# Altium PCB cyber60-mx.PcbDoc (part 3 of 4)
Units mm, origin at the board's own origin, x right, y up, seen from the top; angles counter-clockwise.
Board outline 284.73 x 94.2 mm, 2 copper layers (Component Side, Bottom Layer), stack 1.571 mm thick; 250 components, 151 nets, 1030 pads, 543 vias.
Unrouted connection lines stored in the file: 6.
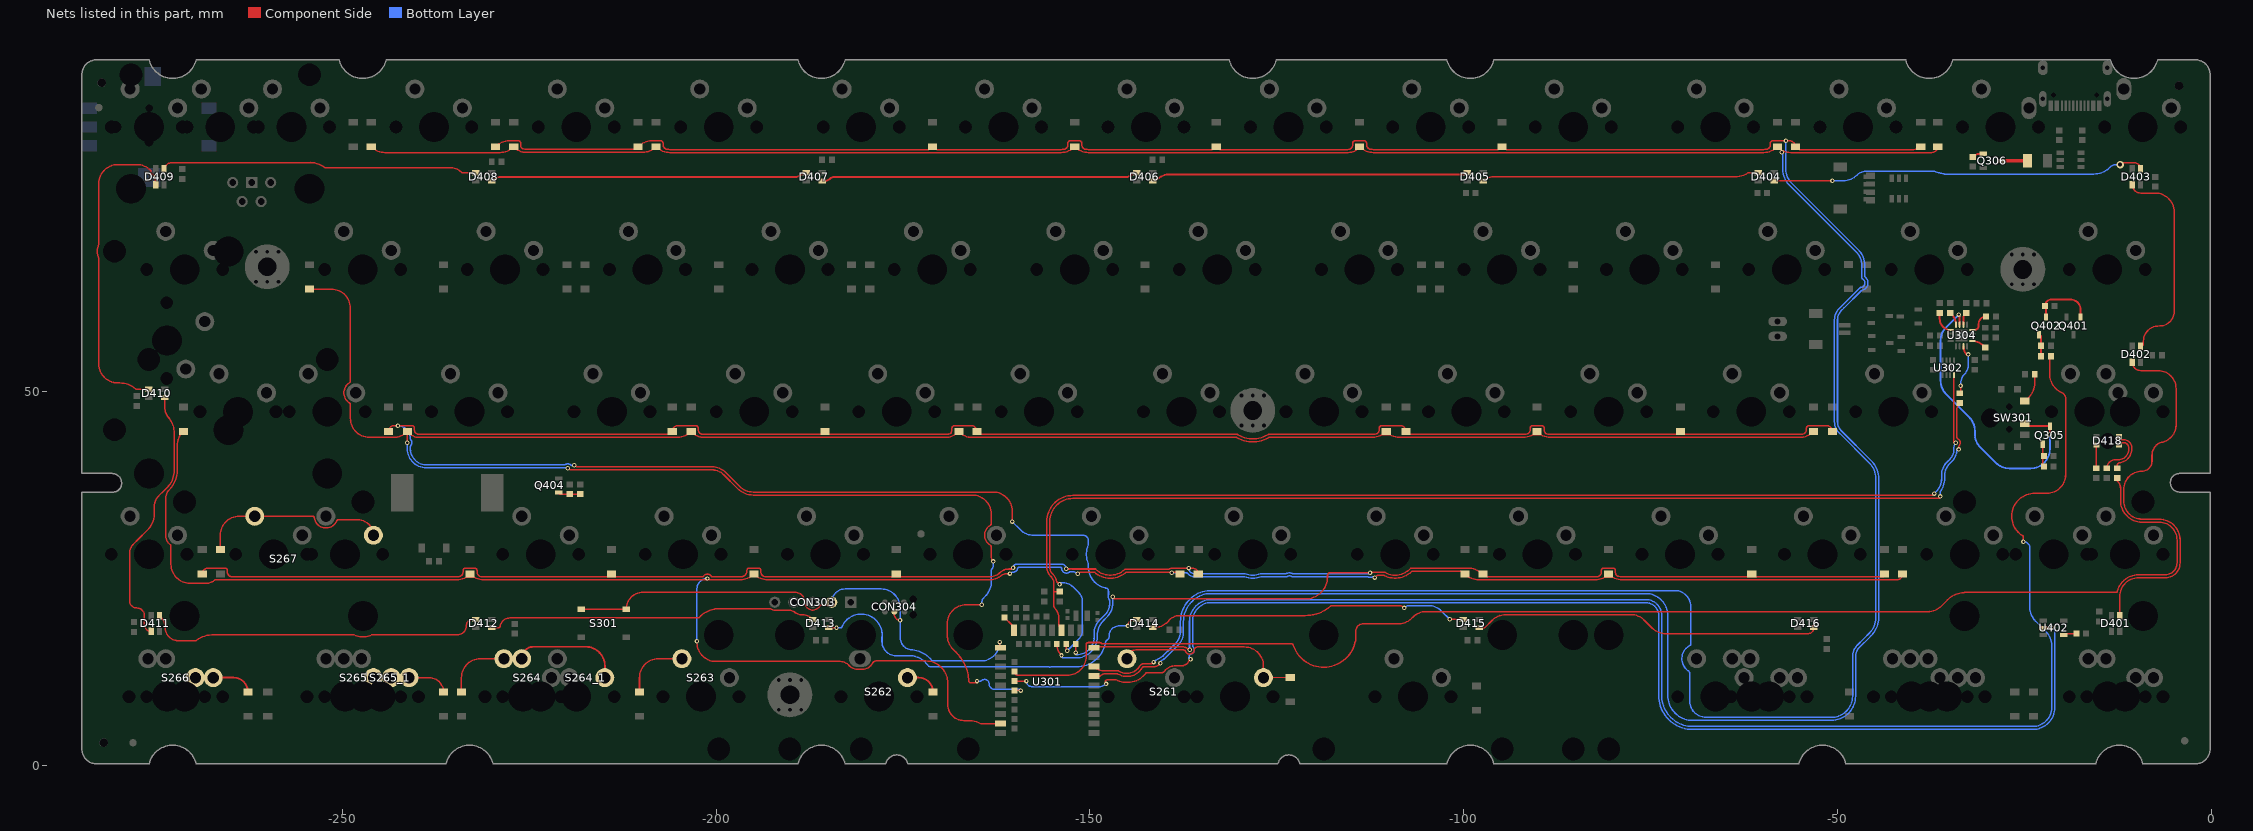
[diagram p3: the nets of this part, all layers, seen from the top]

## Via types
v1: diameter 0.6, hole 0.3, Component Side to Bottom Layer, tented both sides, 532 vias
v2: diameter 1, hole 0.5, Component Side to Bottom Layer, tented both sides, 6 vias
v3: diameter 1.5, hole 0.75, Component Side to Bottom Layer, tented both sides, 5 vias

## Nets (pads, with @x,y where several pads share a name; then routed paths per layer and width w, separated by ;. In a path a pad name is that pad's centre, name@x,y a point inside that pad or via, vN(x,y) a via of type N, cw(c..) or ccw(c..) an arc to the next point about the centre after c; other vN are vias at no path point) (continued)
NetD261_1: D261.1 S261.2 | length 26.3
  Component Side w0.203: S261.2@-145.039,14.295 cw(c-143.871,14.295) -143.871,15.463 -137.495,15.463 cw(c-137.494,15.26) -137.493,15.463 cw(c-137.494,15.26) -137.471,15.462 cw(c-137.494,15.26) -137.454,15.459 ccw(c-137.332,16.053) -137.42,15.453 cw(c-137.552,14.594) -137.376,15.446 cw(c-137.418,15.247) -137.224,15.309 ccw(c-136.652,15.494) -137.078,15.069 ccw(c-136.652,15.494) -137.077,15.068 ccw(c-136.652,15.494) -136.652,14.892 ccw(c-136.652,15.494) -136.227,15.068 ccw(c-136.652,15.494) -136.226,15.069 ccw(c-136.652,15.494) -136.062,15.376 ; -136.062,15.377 ccw(c-136.652,15.494) -136.051,15.464 ; -136.051,15.465 cw(c-135.848,15.454) -136.044,15.509 cw(c-135.571,15.376) -135.571,15.867 -129.323,15.867 cw(c-129.323,13.327) -126.783,13.327 S261.2@-126.783,11.755 D261.1@-123.19,11.795
NetD262_1: D262.1 S262.1 | length 4.5
  Component Side w0.254: S262.1@-174.408,11.755 -172.905,11.755 cw(c-172.905,9.85) -171.227,10.752 cw(c-172.905,9.85) D262.1@-171,9.85
NetD263_1: D263.1 S263.1 | length 9
  Component Side w0.203: D263.1@-210.249,9.85 -210.249,11.755 cw(c-207.709,11.755) -207.709,14.295 S263.1@-204.571,14.295
NetD264_1: D264.1 S264.2 S264_1.1 | length 24.1
  Component Side w0.203: D264.1@-234.061,9.85 -234.061,11.755 cw(c-231.521,11.755) -231.521,14.295 S264.2@-228.383,14.295
  Component Side w0.254: S264.2@-226.002,14.295 cw(c-224.405,14.295) -224.405,15.892 -217.429,15.892 cw(c-217.429,13.352) -214.889,13.352 S264_1.1@-214.889,11.755
NetD265_1: D265.1 S265.1 S265_1.1 | length 8.1
  Component Side w0.203: S265.1@-243.459,11.755 -238.379,11.755 cw(c-238.379,9.85) D265.1@-236.474,9.85
NetD266_1: D266.1 S266.1 | length 5.7
  Component Side w0.254: S266.1@-267.277,11.755 -264.541,11.755 cw(c-264.541,9.85) D266.1@-262.636,9.85
NetD267_1: D267.1 S267.1 | length 27.4
  Component Side w0.203: D267.1@-266.319,28.9 -266.319,30.805 cw(c-263.779,30.805) -263.779,33.345 -261.874,33.345 S267.1@-261.797,33.268 ; S267.1@-261.246,32.871 cw(c-261.246,33.345) S267.1@-261.72,33.345 -253.959,33.345 cw(c-253.958,33.142) -253.756,33.165 ccw(c-252.195,33.345) -253.648,32.746 ; -253.462,32.415 cw(c-252.195,33.345) -253.648,32.746 ; S267.1@-245.845,30.805 ccw(c-247.911,30.805) -247.911,32.871 -250.554,32.871 ccw(c-250.555,32.668) -250.742,32.745 cw(c-252.195,33.345) -253.648,32.745
NetD401_2: D401.2 D402.4 | length 53.4
  Component Side w0.203: D401.2@-12.25,20.065 -12.25,22.584 cw(c-9.71,22.584) -9.71,25.124 -6.143,25.124 ccw(c-6.143,27.101) -4.689,25.762 ccw(c-6.143,27.101) -4.166,27.101 -4.166,30.147 ccw(c-6.985,30.147) -4.444,31.368 ccw(c-6.985,30.147) -5.398,32.477 ccw(c-6.985,30.147) -6.985,32.966 -9.271,32.966 cw(c-9.271,35.414) -11.719,35.414 -11.719,36.922 cw(c-9.271,36.922) -9.271,39.37 ccw(c-9.271,40.719) -7.922,40.719 -7.922,41.496 cw(c-6.036,41.496) -7.117,43.041 cw(c-6.508,42.169) -6.695,43.216 cw(c-6.508,42.169) -6.692,43.217 ccw(c-7.112,45.593) -4.699,45.593 -4.699,50.419 ccw(c-7.112,50.419) -7.112,52.832 -9.447,52.832 cw(c-9.447,53.935) D402.4@-10.55,53.935
NetD402_2: D402.2 D403.4 | length 28.5
  Component Side w0.203: D403.4@-10.55,77.685 ccw(c-9.446,77.685) -9.446,76.581 -7.493,76.581 cw(c-7.493,74.041) -4.953,74.041 -4.953,60.758 cw(c-6.91,60.758) -6.91,58.801 ccw(c-6.91,56.261) -7.962,58.573 ccw(c-7.522,57.604) -7.964,58.572 ccw(c-7.522,57.604) -8.059,58.522 ccw(c-7.033,56.769) -8.707,57.921 ccw(c-7.033,56.769) -9.065,56.769 -9.065,56.45 cw(c-9.45,56.45) D402.2@-9.45,56.065 D402.2@-9.45,56.261
NetD403_2: D403.2 D404.4 | length 50.3
  Component Side w0.203: D404.4@-58.435,78.2 -58.403,78.232 v1(-50.673,78.232) ; v2(-12.192,80.391) cw(c-11.966,80.391) -11.966,80.617 -10.2,80.617 cw(c-10.2,80.315) -10.126,80.607 ; -10.125,80.607 ccw(c-10.076,80.804) -10.112,80.604 cw(c-10.252,79.815) D403.2@-9.45,79.815
  Bottom Layer w0.203: v1(-50.673,78.232) -49.185,78.232 ccw(c-49.185,80.772) -47.389,78.976 -47.371,78.994 cw(c-46.145,77.768) -46.145,79.502 -37.128,79.502 cw(c-37.127,79.299) -37.031,79.478 ccw(c-36.195,81.026) -36.317,79.271 cw(c-36.331,79.068) -36.256,79.257 ccw(c-35.55,81.026) -35.55,79.121 -15.737,79.121 ccw(c-15.737,82.217) -14.115,79.579 ccw(c-15.737,82.217) -13.548,80.027 cw(c-12.669,79.148) -13.547,80.029 cw(c-12.669,79.148) -12.669,80.391 v2(-12.192,80.391)
NetD404_2: D404.2 D405.4 | length 37.1
  Component Side w0.203: D405.4@-97.368,78.2 cw(c-96.054,76.886) -96.054,78.744 -63.69,78.744 ccw(c-63.69,81.724) -62.008,79.265 cw(c-61.893,79.097) -61.892,79.3 D404.2@-60.565,79.3
NetD405_2: D405.2 D406.4 | length 42.4
  Component Side w0.254: D406.4@-141.585,78.2 -141.446,78.2 ccw(c-141.446,78.785) -141.033,78.371 cw(c-139.307,76.646) -139.307,79.086 -100.015,79.086 ccw(c-100.015,79.817) D405.2@-99.498,79.3
NetD406_2: D406.2 D407.4 | length 42.4
  Component Side w0.254: D407.4@-185.802,78.2 -185.475,78.2 ccw(c-185.475,79.176) -184.785,78.486 cw(c-184.222,77.923) -184.222,78.719 -145.164,78.719 ccw(c-145.164,79.808) -144.267,79.19 cw(c-144.058,79.046) -144.057,79.3 D406.2@-143.715,79.3
NetD407_2: D407.2 D408.4 | length 42.6
  Component Side w0.254: D408.4@-230.018,78.2 cw(c-228.765,76.947) -228.765,78.719 -189.422,78.719 ccw(c-189.422,79.947) -189.052,78.776 ccw(c-189.38,79.815) -188.487,79.191 cw(c-188.279,79.046) -188.277,79.3 D407.2@-187.932,79.3 cw(c-189.032,79.3) D407.2@-187.954,79.08
NetD408_2: D408.2 D409.4 | length 43.7
  Component Side w0.203: D409.4@-273.85,79.815 -273.703,79.815 cw(c-272.887,79.815) -272.887,80.63 -270.677,80.63 -269.875,80.63 -261.493,80.63 -254.913,80.63 ccw(c-254.913,80.833) -254.884,80.632 cw(c-254.381,77.16) -253.704,80.603 cw(c-254.381,77.16) -252.301,79.985 ccw(c-252.18,80.149) -252.18,79.946 -238.252,79.946 -235.477,79.946 ; -236.728,79.946 -235.479,79.946 cw(c-235.479,79.39) -235.477,79.946 ; D408.2@-232.148,79.3 -233.924,79.3 cw(c-233.924,79.503) -234.069,79.361 ccw(c-235.458,78.003) -235.458,79.945 cw(c-235.46,80.149) -235.465,79.945 ccw(c-235.479,79.39) -235.477,79.946
NetD409_2: D409.2 D410.4 | length 44.1
  Component Side w0.203: -280.623,51.25 ccw(c-280.035,53.721) -280.035,51.181 ; D410.4@-275.996,50.437 D410.4@-275.893,50.334 -277.548,50.334 cw(c-277.548,50.537) -277.683,50.386 ccw(c-279.755,48.085) -279.755,51.181 -280.035,51.181 ; D409.2@-274.95,77.685 -274.95,77.85 ccw(c-277.49,77.85) -275.176,78.897 ccw(c-275.361,78.814) -275.337,79.016 cw(c-275.3,79.315) -275.602,79.315 -275.602,79.468 ccw(c-275.805,79.469) -275.658,79.609 ccw(c-277.49,77.85) -277.49,80.39 -280.035,80.39 ccw(c-280.035,77.85) -282.575,77.85 -282.575,69.818 cw(c-282.778,69.817) -282.593,69.734 ccw(c-280.465,68.783) -282.593,67.832 cw(c-282.778,67.749) -282.575,67.748 -282.575,53.721 ccw(c-280.035,53.721) -280.035,51.181
NetD410_2: D410.2 D411.4 | length 35.6
  Component Side w0.203: D411.4@-275.55,17.935 cw(c-275.55,18.864) -276.479,18.864 -276.479,20.066 ccw(c-277.495,20.066) -277.495,21.082 cw(c-277.495,22.05) -278.463,22.05 -278.463,28.285 cw(c-276.479,28.285) -277.881,29.689 -277.356,30.214 -276.067,31.503 ccw(c-278.257,33.691) -275.164,33.577 cw(c-274.961,33.567) -275.162,33.59 ccw(c-277.686,33.881) -275.146,33.881 -275.146,34.885 cw(c-273.177,34.635) -274.579,36.039 -273.864,36.755 -273.4,37.218 ccw(c-275.59,39.406) -272.532,38.928 ccw(c-275.59,39.406) -272.494,39.406 -272.494,44.541 ccw(c-275.59,44.541) -272.5,44.721 ; D410.2@-273.763,49.234 -273.763,47.948 ccw(c-271.603,47.948) -273.358,46.689 ccw(c-273.193,46.807) -273.342,46.669 ccw(c-273.193,46.807) -273.341,46.668 ; -273.13,46.421 ccw(c-275.59,44.541) -273.341,46.668 ; -272.5,44.721 ccw(c-275.59,44.541) -273.341,46.668
NetD411_2: D411.2 D412.4 | length 45.8
  Component Side w0.203: D411.2@-274.45,20.065 -274.311,19.926 cw(c-275.822,18.415) -273.685,18.415 ccw(c-271.982,18.415) -271.984,16.712 ccw(c-271.982,18.415) -271.982,16.712 -269.623,16.712 ccw(c-269.623,16.915) -269.501,16.752 cw(c-267.311,13.831) -267.477,17.479 ; -267.476,17.479 cw(c-267.311,13.831) -267.311,17.483 -253.195,17.483 -252.984,17.483 -248.494,17.483 cw(c-248.493,17.279) -248.409,17.464 ccw(c-247.242,20.01) -246.075,17.464 cw(c-245.991,17.279) -245.99,17.483 -234.612,17.483 ccw(c-234.612,18.669) -233.426,18.669 cw(c-232.545,18.669) -232.545,19.55 D412.4@-232.148,19.55
NetD412_2: D412.2 D413.4 | length 44.5
  Component Side w0.203: D412.2@-230.018,18.45 -229.086,18.45 ccw(c-229.086,18.653) -228.885,18.622 cw(c-227.569,18.415) -227.572,19.748 cw(c-227.569,18.415) -227.569,19.748 -226.822,19.748 -224.663,19.748 -204.317,19.748 -202.41,19.748 ccw(c-202.41,19.951) -202.259,19.815 cw(c-199.649,17.47) -200.284,20.92 cw(c-200.185,20.374) -200.244,20.926 ccw(c-200.267,21.128) -200.227,20.929 cw(c-199.988,19.792) -200.156,20.942 cw(c-199.649,17.47) -199.456,20.973 ccw(c-199.447,21.176) -199.436,20.973 cw(c-199.359,19.792) -199.359,20.976 -195.059,20.976 ccw(c-195.061,21.179) -195.055,20.976 cw(c-194.919,17.47) -194.783,20.976 ; -195.054,20.976 cw(c-194.919,17.47) -194.783,20.976 ; -189.553,20.559 ccw(c-188.586,21.568) -189.46,20.477 ; D413.4@-187.229,19.674 ccw(c-188.428,18.475) -187.392,19.818 ccw(c-188.428,18.475) -188.428,20.171 -188.586,20.171 cw(c-188.586,21.568) -189.121,20.277 cw(c-188.586,21.568) -189.553,20.559 ccw(c-189.693,20.412) -189.569,20.573 ccw(c-190.22,19.717) -190.22,20.792 -192.151,20.792 cw(c-192.151,21.844) -192.699,20.946 ccw(c-192.804,20.772) -192.803,20.976 -194.777,20.976 cw(c-194.776,21.179) -194.783,20.976
NetD413_2: D413.2 D414.4 | length 51.3
  Component Side w0.203: D413.2@-184.935,18.45 -184.9,18.415 v1(-183.896,18.415) ; v1(-144.907,18.669) cw(c-144.026,18.669) -144.026,19.55 D414.4@-143.715,19.55
  Bottom Layer w0.203: v1(-183.896,18.415) -183.261,18.415 ccw(c-183.381,18.579) -183.192,18.504 cw(c-180.589,17.47) -182.802,19.187 cw(c-180.589,17.47) -181.33,20.171 cw(c-180.589,17.47) -178.874,19.684 cw(c-180.589,17.47) -177.81,17.81 cw(c-180.589,17.47) -177.808,17.142 -177.808,16.581 ccw(c-175.926,16.581) -175.926,14.698 ; -175.98,14.706 ccw(c-175.925,14.901) -175.926,14.698 ; -173.807,14.683 cw(c-173.806,14.886) -173.824,14.684 ; -173.002,14.479 cw(c-174.117,11.755) -171.707,13.444 ccw(c-171.21,13.792) -171.705,13.442 ccw(c-171.21,13.792) -171.211,13.186 -161.671,13.186 -155.51,13.186 cw(c-155.511,12.983) -155.473,13.182 ccw(c-155.359,13.773) -155.244,13.182 cw(c-155.206,12.983) -155.207,13.186 -151.583,13.186 ccw(c-151.583,13.389) -151.551,13.188 -151.454,13.204 cw(c-151.423,13.003) -151.443,13.205 ccw(c-151.835,17.2) -148.009,15.985 ccw(c-151.835,17.2) -147.867,16.591 cw(c-147.667,16.559) -147.758,16.741 ccw(c-148.026,17.279) -147.431,17.369 cw(c-146.131,17.369) -147.429,17.437 cw(c-146.131,17.369) -146.182,18.668 cw(c-146.131,17.369) -146.131,18.669 v1(-144.907,18.669) ; -171.925,13.719 ccw(c-174.117,11.755) -173.292,14.58 ccw(c-174.117,11.755) -173.512,14.635 ccw(c-174.117,11.755) -173.824,14.684 ; -175.926,14.698 -174.117,14.698 ; -174.117,14.698 cw(c-174.117,11.755) -173.825,14.684 ; -174.117,14.698 cw(c-174.117,11.755) -173.824,14.684
NetD414_2: D414.2 D415.4 | length 44.6
  Component Side w0.203: D414.2@-141.585,18.45 -141.406,18.45 ccw(c-141.406,20.99) -139.61,19.194 -139.53,19.273 cw(c-137.988,18.161) -139.367,19.47 cw(c-137.988,18.161) -137.988,20.063 -122.301,20.063 -121.178,20.063 ccw(c-121.178,25.229) -119.591,20.313 ; -120.458,20.113 ccw(c-121.178,25.229) -117.769,21.347 cw(c-117.635,21.195) -117.634,21.398 -108.713,21.398 cw(c-108.713,20.319) v1(-107.95,21.082) ; v1(-101.854,19.558) -101.846,19.55 -99.498,19.55
  Bottom Layer w0.203: v1(-107.95,21.082) cw(c-107.191,20.323) -107.191,21.396 -104.745,21.396 cw(c-104.745,18.856) -102.948,20.652 v1(-101.854,19.558)
NetD415_2: D415.2 D416.4 | length 46.1
  Component Side w0.203: -97.368,18.45 ccw(c-97.368,19.987) -97.162,18.464 -96.181,19.444 cw(c-94.385,17.648) -95.854,19.72 cw(c-94.385,17.648) -94.385,20.188 -77.629,20.188 cw(c-77.629,17.648) -75.832,19.444 -74.764,18.376 ccw(c-72.968,20.172) -72.968,17.632 -53.97,17.632 ccw(c-53.97,18.45) D416.4@-53.152,18.45
NetD418_1: D418.1 R411.2 | length 6.5
  Component Side w0.203: R411.2@-13.97,39.766 cw(c-12.842,39.766) -12.842,40.894 -12.446,40.894 ccw(c-12.446,42.291) -11.049,42.291 -11.049,42.545 ccw(c-11.684,42.545) -11.684,43.18 -12.049,43.18 ccw(c-12.049,42.872) D418.1@-12.357,42.872
NetD418_3: D418.3 R409.1 | length 6.3
  Component Side w0.203: R409.1@-12.573,39.766 -12.573,40.127 cw(c-12.191,40.127) -12.28,40.498 ccw(c-12.446,42.291) -12.191,40.509 ccw(c-12.446,42.291) -12.15,40.515 ccw(c-12.446,42.291) -11.641,40.681 ccw(c-12.446,42.291) -11.091,41.106 ccw(c-12.446,42.291) -11.025,41.186 ccw(c-12.446,42.291) -10.646,42.291 -10.646,42.545 ccw(c-11.684,42.545) -11.684,43.583 -11.939,43.583 -11.968,43.583 cw(c-11.968,43.972) D418.3@-12.357,43.972 D418.3@-12.349,43.972
NetD418_4: D418.4 R410.1 | length 3.1
  Component Side w0.203: R410.1@-15.367,39.766 -15.357,39.766 D418.4@-15.357,42.872 D418.4@-15.367,42.872
NetF301_1: F301.1 Q306.3 | length 3.5
  Component Side w0.5: Q306.3@-28.084,80.884 -24.627,80.884 ccw(c-24.627,80.935) F301.1@-24.591,80.899
NetL301_2: L301.2 U301.25 | length 2.2
  Component Side w0.203: L301.2@-161.417,19.797 -160.453,18.833 cw(c-161.18,18.106) U301.25@-160.152,18.106
NetQ305_1: Q305.1 R305.2 R306.1 | length 3.1
  Component Side w0.254: Q305.1@-22.54,42.996 -22.54,40.178 ccw(c-22.367,40.178) R305.2@-22.367,40.005
NetQ305_3: Q305.3 SW301.2 U304.15 | length 40.3
  Component Side w0.254: v1(-33.782,60.325) cw(c-34.098,60.009) -33.651,60.009 U304.15@-33.651,58.981 ; SW301.2@-24.925,45.75 ccw(c-24.571,45.75) -24.571,45.396 Q305.3@-21.59,45.396 v1(-21.59,44.323)
  Bottom Layer w0.254: v1(-33.782,60.325) -35.451,58.656 ccw(c-33.655,56.86) -36.195,56.86 -36.195,51.471 ccw(c-33.655,51.471) -35.451,49.675 -32.374,46.598 cw(c-34.188,44.784) -31.623,44.784 -31.623,44.37 ccw(c-29.058,44.37) -30.872,42.556 -28.811,40.495 ccw(c-27.015,42.291) -27.015,39.751 -24.155,39.751 ccw(c-24.155,42.316) -21.59,42.316 v1(-21.59,44.323)
NetQ306_1: Q306.1 R315.1 | length 1.5
  Component Side w0.254: R315.1@-31.877,81.422 cw(c-30.882,80.427) -30.882,81.834 Q306.1@-30.484,81.834
NetQ401_1: Q401.1 Q402.3 R402.1 | length 8.6
  Component Side w0.254: Q402.3@-22.098,60.001 -22.098,61.326 ccw(c-22.24,61.326) R402.1@-22.24,61.468 cw(c-21.351,61.468) -21.351,62.357 -18.85,62.357 cw(c-18.85,60.972) -17.465,60.972 Q401.1@-17.465,60.001
NetQ402_1: Q402.1 R401.2 R403.1 | length 3
  Component Side w0.254: Q402.1@-23.048,57.601 cw(c-23.048,57.301) -22.748,57.301 R401.2@-22.748,54.737
NetQ404_1: Q404.1 R406.1 R407.1 | length 3
  Component Side w0.203: Q404.1@-221.05,36.515 ccw(c-220.842,36.515) -220.842,36.307 R407.1@-219.583,36.307 R406.1@-218.186,36.307
NetR307_1: R307.1 U304.14 | length 1.7
  Component Side w0.254: U304.14@-33.151,58.981 -33.151,59.941 cw(c-32.27,59.941) R307.1@-32.893,60.564
NetR308_1: R308.1 U304.12 | length 3
  Component Side w0.254: U304.12@-31.951,58.281 -31.635,58.281 ccw(c-31.635,58.801) -31.115,58.801 -31.115,59.07 cw(c-30.114,59.07) R308.1@-30.114,60.071
NetR310_1: R310.1 U304.16 | length 1.8
  Component Side w0.254: R310.1@-34.925,60.564 -34.723,60.362 cw(c-36.104,58.981) U304.16@-34.151,58.981
NetR311_1: R311.1 SW301.1 | length 4
  Component Side w0.203: SW301.1@-24.925,48.75 -24.358,49.317 ccw(c-26.172,51.131) -23.607,51.131 R311.1@-23.607,52.324
NetR312_1: R312.1 U304.9 | length 2
  Component Side w0.254: U304.9@-31.951,56.781 cw(c-31.951,54.755) -30.519,56.188 R312.1@-30.226,55.895
NetR313_1: R313.1 U304.1 | length 3.1
  Component Side w0.254: R313.1@-36.322,60.564 -36.322,59.752 ccw(c-34.851,59.752) U304.1@-34.851,58.281
NetR314_1: R314.1 U304.7 | length 6.9
  Component Side w0.203: R314.1@-33.655,49.799 ccw(c-33.962,50.106) -33.528,50.106 v1(-33.528,50.8)
  Component Side w0.254: U304.7@-33.151,56.081 ccw(c-31.449,56.081) -32.652,54.877 v1@-32.639,54.864
  Bottom Layer w0.203: v1(-33.528,50.8) -33.528,51.098 cw(c-31.794,51.098) -33.02,52.324 ccw(c-34.246,53.55) -32.512,53.55 v1(-32.512,54.991)
NetR404_2: R404.2 U402.4 | length 2.1
  Component Side w0.203: U402.4@-20.016,17.337 cw(c-19.707,17.028) U402.4@-19.707,17.465 ; U402.4@-19.707,17.465 cw(c-19.253,17.011) -19.253,17.653 R404.2@-18.049,17.653
P0.02/AIN0: D201.2 D203.2 D205.2 D207.2 D209.2 D211.2 D213.2 U301.7 | length 406.2
  Component Side w0.203: D213.2@-229.489,82.78 -229.429,82.84 cw(c-227.686,81.097) -227.686,83.562 -226.466,83.562 cw(c-226.466,83.235) -226.139,83.235 -226.139,82.947 ccw(c-225.619,82.947) -225.886,82.5 ccw(c-225.78,82.674) -225.825,82.476 ccw(c-225.379,84.477) -225.379,82.427 -211.207,82.427 ccw(c-211.301,83.642) D211.2@-210.536,82.693 ; D211.2@-210.439,82.78 cw(c-211.301,83.642) D211.2@-210.536,82.693 ; U301.7@-149.452,11.946 -148.743,11.946 ccw(c-148.744,12.149) -148.597,12.009 cw(c-147.969,11.414) -147.969,12.279 -146.413,12.279 cw(c-146.411,11.876) -146.214,12.227 cw(c-146.411,11.876) -146.211,12.226 ccw(c-145.039,14.295) -145.511,11.964 ; -145.721,12.017 ccw(c-145.039,14.295) -144.128,12.099 ccw(c-145.039,14.295) -143.121,12.889 ccw(c-145.039,14.295) -142.974,13.117 cw(c-142.797,13.016) -142.796,13.219 -141.478,13.219 ccw(c-141.478,14.273) -141.468,13.219 cw(c-141.466,13.016) -141.463,13.219 ccw(c-141.456,13.821) -141.456,13.219 ccw(c-141.456,13.821) -141.39,13.223 cw(c-141.367,13.021) -141.385,13.223 ccw(c-141.478,14.273) -140.733,13.528 v1(-140.567,13.694) ; D201.2@-38.862,82.78 cw(c-39.777,83.695) -39.777,82.401 -51.054,82.401 -55.057,82.401 cw(c-55.057,82.604) -55.155,82.426 cw(c-54.151,84.255) D203.2@-55.626,82.78 ccw(c-56.408,82.78) -56.408,83.562 -58.649,83.562 ccw(c-58.649,83.235) -58.976,83.235 -58.976,83.034 cw(c-59.609,83.034) -59.282,82.492 cw(c-59.386,82.667) -59.335,82.47 cw(c-59.873,84.538) -59.873,82.401 -91.313,82.401 -94.243,82.401 cw(c-94.243,82.604) -94.319,82.416 cw(c-93.701,83.948) D205.2@-94.869,82.78 cw(c-96.344,84.255) -95.341,82.426 cw(c-95.438,82.604) -95.438,82.401 -97.917,82.401 -112.085,82.401 cw(c-112.085,84.538) -112.625,82.471 cw(c-112.572,82.667) -112.68,82.495 cw(c-112.349,83.034) -112.982,83.034 -112.982,83.235 ccw(c-113.309,83.235) -113.309,83.562 -114.529,83.562 ccw(c-114.529,83.235) -114.856,83.235 -114.856,83.034 cw(c-115.489,83.034) -115.489,82.401 -127,82.401 -132.553,82.401 cw(c-132.553,82.604) -132.662,82.433 cw(c-131.314,84.562) D207.2@-133.096,82.78 cw(c-134.571,84.255) -133.568,82.426 cw(c-133.665,82.604) -133.665,82.401 -136.271,82.401 -150.185,82.401 cw(c-150.185,84.538) -150.725,82.471 cw(c-150.672,82.667) -150.78,82.495 cw(c-150.449,83.034) -151.082,83.034 -151.082,83.235 ccw(c-151.409,83.235) -151.409,83.562 -152.629,83.562 ccw(c-152.629,83.235) -152.956,83.235 -152.956,83.034 cw(c-153.589,83.034) -153.262,82.492 cw(c-153.366,82.667) -153.315,82.47 cw(c-153.853,84.538) -153.853,82.401 -169.418,82.401 -170.443,82.401 cw(c-170.443,82.604) -170.519,82.416 cw(c-169.901,83.948) D209.2@-171.069,82.78 cw(c-172.544,84.255) -171.541,82.426 cw(c-171.638,82.604) -171.638,82.401 -173.482,82.401 -206.192,82.401 cw(c-206.192,84.538) -206.732,82.471 cw(c-206.679,82.667) -206.787,82.495 cw(c-206.456,83.034) -207.089,83.034 -207.089,83.235 ccw(c-207.416,83.235) -207.416,83.562 -208.636,83.562 ccw(c-208.636,81.307) -210.23,82.902 -210.439,82.693 D211.2@-210.536,82.693
  Bottom Layer w0.203: v1(-140.567,13.694) -140.567,13.942 ccw(c-142.149,16.891) -139.908,14.406 -139.902,14.406 -139.025,15.283 -139.022,15.283 -138.108,16.197 -138.108,16.205 ccw(c-140.021,17.877) -137.486,17.704 -137.481,17.709 -137.481,19.26 cw(c-133.731,19.26) -136.382,21.912 cw(c-133.731,19.26) -135.829,22.367 ccw(c-135.943,22.536) -135.823,22.371 cw(c-133.858,19.663) -133.858,23.009 -75.648,23.009 cw(c-75.648,20.066) -73.805,22.361 cw(c-75.648,20.066) -72.704,20.066 -72.704,13.208 -72.704,12.341 -72.704,12.117 -72.704,9.382 ccw(c-69.358,9.382) -72.704,9.378 ccw(c-69.358,9.382) -72.408,8.005 ccw(c-69.358,9.382) -71.689,6.981 ccw(c-69.358,9.382) -70.19,6.141 ccw(c-69.358,9.382) -69.363,6.036 ccw(c-69.358,9.382) -69.358,6.036 -66.802,6.036 -64.135,6.036 -54.737,6.036 -53.975,6.036 -50.816,6.036 ccw(c-50.816,9.271) -50.812,6.036 ccw(c-50.816,9.271) -47.581,9.271 -47.581,14.569 cw(c-45.847,14.569) -47.578,14.669 cw(c-47.375,14.655) -47.576,14.684 -47.568,14.736 ccw(c-48.168,14.827) -47.562,14.812 cw(c-47.359,14.806) -47.559,14.838 -47.557,14.853 ccw(c-48.155,14.954) -47.556,14.859 -47.552,14.88 cw(c-47.352,14.847) -47.552,14.882 cw(c-45.847,14.569) -47.071,15.797 -45.594,17.273 -45.456,17.411 ccw(c-47.822,19.778) -44.476,19.778 -44.476,38.388 ccw(c-47.822,38.388) -45.456,40.755 -49.484,44.782 cw(c-48.26,46.01) -49.994,46.01 -49.994,59.623 cw(c-48.26,59.623) -49.484,60.851 -49.13,61.204 ; v1(-56.896,83.566) -56.896,82.291 ccw(c-56.693,82.292) -56.887,82.231 cw(c-57.46,82.048) -56.887,81.864 ccw(c-56.693,81.804) -56.896,81.805 -56.896,79.727 ccw(c-54.356,79.727) -56.152,77.931 -47.196,68.975 cw(c-49.276,66.893) -46.333,66.893 -46.333,65.462 ccw(c-46.13,65.463) -46.264,65.31 cw(c-46.923,64.552) -46.72,63.568 ccw(c-46.678,63.369) -46.821,63.514 -49.13,61.205
P0.05: R303.2 U301.15 U302.8 | length 154.2
  Component Side w0.203: R303.2@-154.051,23.256 -154.813,23.256 ; v1@-36.957,36.195 -37.018,36.134 -152.273,36.134 ccw(c-152.273,32.639) -155.768,32.639 -155.768,26.414 ccw(c-155.365,26.414) -155.763,26.35 cw(c-155.964,26.32) -155.761,26.339 ccw(c-154.242,26.479) -155.321,25.4 -155.247,25.326 cw(c-156.293,24.279) -154.813,24.279 -154.813,23.256 ; v1@-34.429,43.18 U302.8@-34.429,52.268 ; -154.813,23.256 -154.813,21.368 ccw(c-154.273,21.368) -154.655,20.986 cw(c-155.86,19.781) -154.156,19.781 -154.156,18.96 ccw(c-152.948,18.96) U301.15@-154.142,18.78 ; U301.15@-154.142,18.78 ccw(c-152.948,18.96) U301.15@-153.802,18.106 ccw(c-154.56,18.106) -154.024,18.642 -154.1,18.754 U301.15@-154.142,18.78
  Bottom Layer w0.203: v1(-37.043,36.385) -36.812,36.615 ccw(c-38.608,38.411) -36.068,38.411 -36.068,38.826 cw(c-33.528,38.826) -35.324,40.622 -34.99,40.956 ; -34.99,40.956 ccw(c-36.375,42.34) -34.417,42.34 -34.417,42.567 cw(c-33.55,42.567) v1(-34.163,43.18)